# Altium PCB PCB1.PcbDoc (continued)
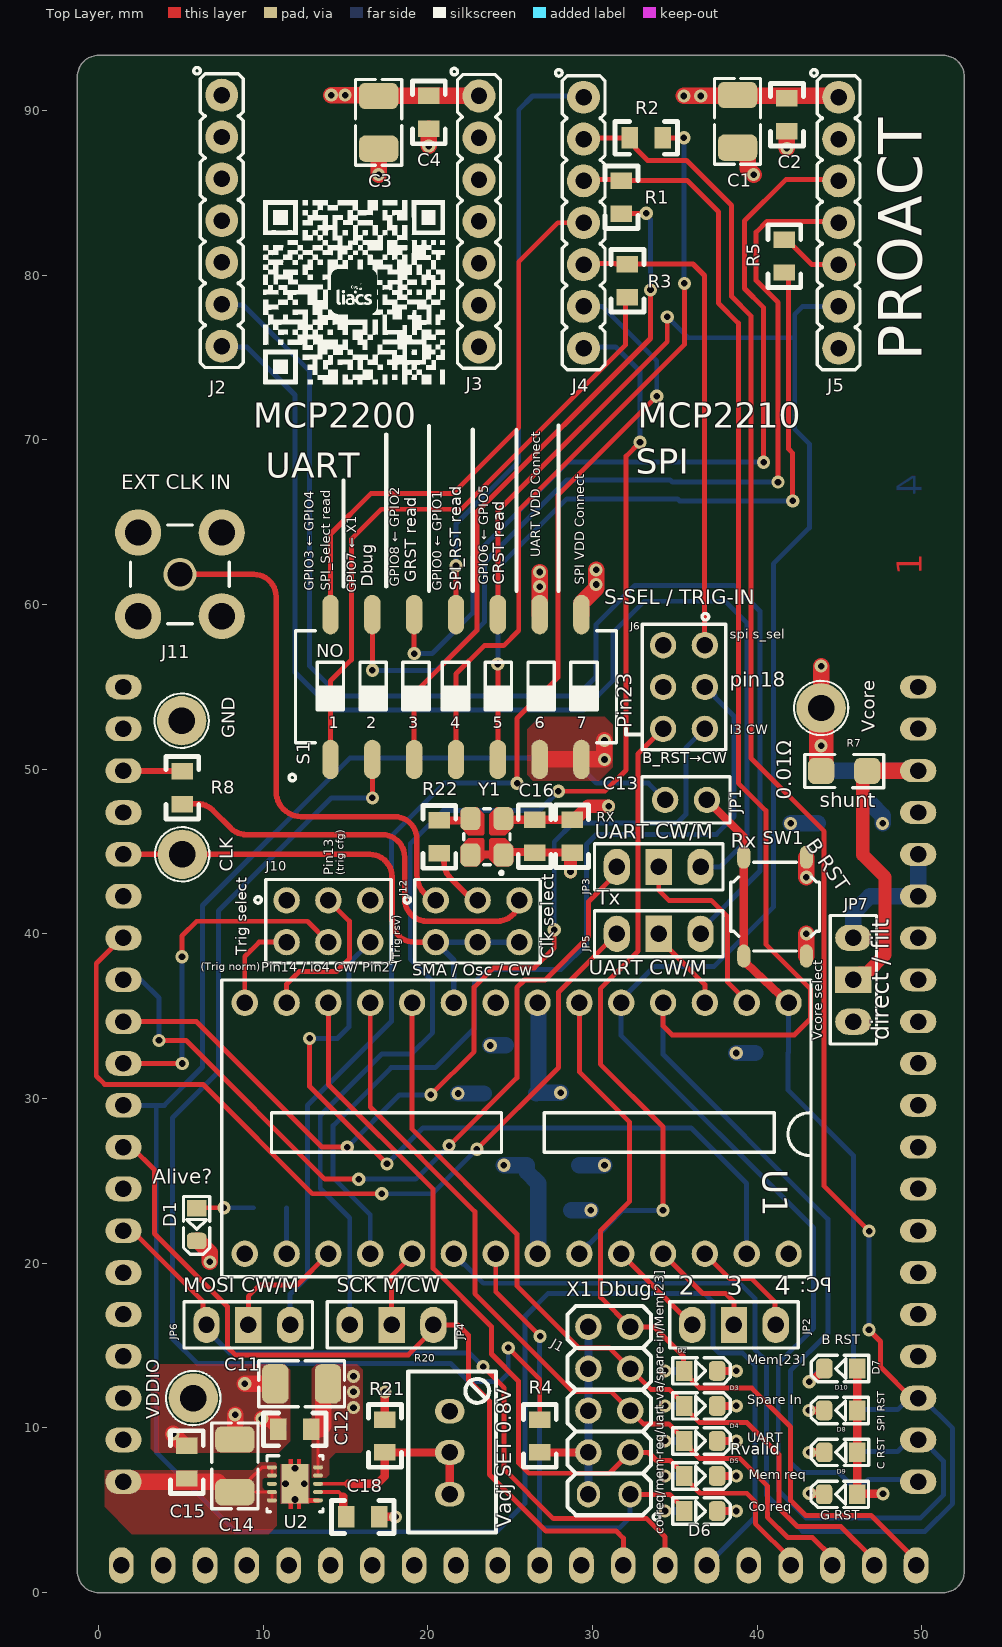
[diagram p0: Top Layer view]
## Part data (continued)
CLK GND Vcore VDDIO: "TEST POINT", MANF=MANF, MANF_P#=MANF_P#
D1 D2 D3 D4 D5 D6 D7 D8 D9 D10: library part LED_SMD_0805_RED, "LED, SMD, 0805, RED", ASSEMBLY=ASSEMBLY, DESC=DESCRIPTION, MANF=MANF, MANF_P#=MANF_PART#, PARAM2=2.2V, PRICE=36t@Javan
J1: library part HDR_M_2X5, "CONN, HEADER, Male, pitch: 2.54mm, 10POS"
J2 J3 J4 J5: library part HDR_M_1X7, "CONN, HEADER, Male, pitch: 2.54mm, 7POS"
J6 J10 J12: library part HDR_F_2X3, "CONN, HEADER, Female, pitch: 2.54mm, 6POS", MANF=MANF, MANF_P#=MANF_PART#
J7 J8 J9: library part HDR_F_1X20, "CONN, HEADER, Female, pitch: 2.54mm, 20POS"
J11: library part CONN_RF_BNC_RA, "CONN, RF, BNC, STRAIGHT", ASSEMBLY=ASSEMBLY, DESC=DESCRIPTION, DIST#=MOUSER, MANF=TE, MANF_P#=5413515-9, PARAM="50Ohm, -GHz", PARAM2=GOLD, PRICE=5$
JP1: library part JUMPER_HDR_2P, "JUMPER, HEADER 2PIN", MANF=MANF, MANF_P#=MANF_P#
JP2 JP3 JP4 JP5 JP6 JP7: library part JUMPER_HDR_3P, "JUMPER, HEADER 3PIN", MANF=MANF, MANF_P#=MANF_P#
R1 R2 R3 R4 R5 R6 R7 R8 R9 R10 R11 R12 R13 R14 R15 R16 R17 R18 R21 R22: library part Res_SMD, "resistors_axial_smd"
R20: library part ResPot, "potansiometer"
S1: library part DIPSW254S_7P, "SWITCH, DIP, 7P, THD", MANF=MANF, MANF_P#=MANF_P#
SW1: library part SWPBS_SPDT_5X5X1_SKQGAFE010, "SWITCH, PUSH BUTTON, TACTILE, SMD, SPDT, 5.0X5.0X1.5MM", ASSEMBLY=ASSEMBLY, DESC=DESCRIPTION, MANF=ALPS, MANF_P#=SKQGAFE010, PARAM=PARAM, PRICE=PRICE
U1: library part SOCKET_IC_DIP_28, "SOCKET, IC DIP,", MANF=-, MANF_P#=-, PARAM=-, PARAM2=-, PRICE=-
U2: "1.5-A low-VIN (0.8 V) adjustable low-dropout (LDO) voltage regulator with power good and enable 10-VSON -40 to 125", Alternate_PartNumber=TPS74801DRCT, Manufacturer="Texas Instruments", CompType=IC, Copyright="Copyright (C) 2026 Ultra Librarian. All rights reserved.", Manufacturer_Name="Texas Instruments", Manufacturer_Part_Number=TPS74801DRCR, MountType=SMT, PackageReference=DRC0010A, PartNumber=TPS74801DRCR, RefDes=RefDes, RoHS=Y, TYPE=TYPE
Y1: library part OSC_4_50MHz_3225E, "CLOCK OSCILLATOR, 50MHz, 10PPM, 3225", ASSEMBLY=ASSEMBLY, DESC=DESCRIPTION, DIST#=MOUSER, MANF=ECS, MANF_P#=ECS-3225S33-500-FN-TR, PARAM=10PPM, PARAM2="1.8~3.3V, -40~85oC", PRICE=1.2$

## Via types
v1: diameter 0.8, hole 0.4, Top Layer to Bottom Layer, tented both sides, 90 vias
v2: diameter 0.5, hole 0.4, Top Layer to Bottom Layer, tented both sides, 4 vias

## Nets (pads, with @x,y where several pads share a name; then routed paths per layer and width w, separated by ;. In a path a pad name is that pad's centre, name@x,y a point inside that pad or via, vN(x,y) a via of type N, cw(c..) or ccw(c..) an arc to the next point about the centre after c; other vN are vias at no path point)
0.8V: C11.2 C12.1 J8.8 JP7.3 R20.1 U2.9 U2.10 | length 63.2
  Top Layer w0.2: C12.1 13.334,9.515 13.334,9.254 13.34,9.248 U2.10 U2.9
  Top Layer w1: C12.1 C12.1@12.934,10.065 ; 13.434,9.915 13.647,10.128 C11.2@13.647,12.678
  Int2 (PWR) w0.5: v1(15.496,11.23) 15.577,11.23 15.795,11.012 R20.1 25.651,11.012 28.212,13.573 28.212,17.53 28.827,18.146 42.506,18.146 45.72,21.36 45.72,30.202 47.742,32.224 47.742,36.693 48.26,37.211 J8.8 ; v1@15.496,11.43 v1(15.496,12.183) v1(15.496,13.135) v1@15.496,13.335
1.2V: J8.11
1.8V: J8.12
2.5V: J8.13
5V: J8.15
A1: J6.6 U1.23 | length 38.6
  Top Layer w0.3: v1(34.292,23.214) 34.292,28.279 30.483,32.089 30.483,36.665 32.771,38.953 32.771,50.93 J6.6
  Bottom Layer w0.3: U1.23 29.212,20.676 29.72,21.184 29.822,21.184 31.852,23.214 v1(34.292,23.214)
B_RST_N: JP1.1 R6.1 R9.1 SW1.2 SW1.3 U1.1 | length 38.3
  Top Layer w0.5: JP1.1 39.196,45.896 SW1.3@39.196,38.643 ; SW1.3 39.206,38.345 39.352,38.199 U1.1@41.901,35.814
  Bottom Layer w0.3: U1.1 41.912,32.792 R9.1 41.886,30.504 45.847,26.543 45.847,13.881 R6.1
CLK: J12.5 R8.2 | length 25.9
  Top Layer w0.34: R8.2 5.577,47.901 5.998,47.901 cw(c5.998,46.541) 6.959,47.504 8.041,46.422 8.043,46.42 ccw(c9.002,47.384) 9,46.024 17.243,46.024 cw(c17.24,44.664) 18.6,44.665 18.603,42.123 ccw(c19.963,42.127) 19.958,40.767 24.212,40.767 ccw(c24.215,42.127) J12.5
CLK_pin: CLK.1 J7.5 J12.2 J12.4 J12.6 U1.9 | length 32.4
  Top Layer w0.34: J7.5 16.472,44.831 cw(c16.472,43.471) 17.832,43.471 17.832,40.857 ccw(c19.192,40.857) 19.192,39.497 J12.2
  Bottom Layer w0.34: U1.9 21.592,38.397 J12.2 J12.4 J12.6
CRST: J5.6 J8.19 R16.1 S1.10 U1.5 | length 137.7
  Top Layer w0.3: S1.10 24.259,65.68 34.546,75.967 v1(34.546,77.47)
  Bottom Layer w0.3: v1(34.546,77.47) 35.816,76.2 42.291,76.2 ; J5.6@45.339,78.105 42.773,78.105 42.291,77.623 42.291,76.2 ; R16.1 48.539,8.571 49.239,9.271 J8.19 50.036,9.271 51.317,7.99 51.317,5.912 49.939,4.534 42.964,4.534 41.289,6.209 41.289,13.916 43.434,16.061 43.434,22.138 31.752,33.82 31.752,36.011 33.772,38.031 37.398,38.031 40.993,41.626 40.993,62.47 43.18,64.658 43.18,69.765 42.291,70.654 42.291,76.2
D1: D2.1 J1.9 J9.20 U1.6 | length 49.1
  Top Layer w0.3: U1.6 29.212,31.623 32.247,28.588 32.247,23.736 30.501,21.99 30.501,17.927 J1.9 33.751,16.129 35.544,14.336 35.544,13.494 35.926,13.112 35.926,13.009 36.519,12.416 39.681,12.416 42.039,10.058 42.039,5.593 42.955,4.677 46.93,4.677 49.659,1.948 J9.20
D2: D3.1 J1.7 J9.19 U1.10 | length 50.7
  Top Layer w0.3: U1.10 19.052,28.143 25.417,21.779 25.417,18.626 29.184,14.859 31.029,14.859 J1.7 33.569,12.319 34.692,12.319 35.226,11.785 35.576,11.435 D3.1 ; D3.1@35.576,11.235 35.926,10.885 35.946,10.885 36.513,10.317 39.391,10.317 41.336,8.372 41.336,5.12 42.443,4.014 45.094,4.014 47.119,1.989 J9.19
D3: D4.1 J1.5 J9.18 U1.11 | length 50.4
  Top Layer w0.3: U1.11 16.512,29.486 22.861,23.137 22.861,18.154 28.817,12.199 31.149,12.199 J1.5 33.099,10.249 34.634,10.249 35.226,9.658 35.576,9.307 D4.1 35.926,8.857 35.926,8.744 36.534,8.136 38.974,8.136 40.627,6.483 40.627,4.581 41.865,3.343 43.363,3.343 44.579,2.127 J9.18
D4: D5.1 J1.3 J9.17 U1.12 | length 53.9
  Top Layer w0.3: U1.12 13.972,30.855 20.331,24.496 20.331,19.693 23.874,16.15 23.874,14.484 25.519,12.838 25.519,7.875 26.147,7.247 31.037,7.247 J1.3 33.406,8.509 33.895,8.02 34.737,8.02 35.576,7.18 D5.1 ; D5.1@35.576,6.98 35.926,6.63 35.936,6.63 36.536,6.031 39.382,6.031 39.902,5.511 39.902,4.188 42.039,2.052 J9.17
D5: D6.1 J1.1 J9.11 U1.21 | length 31
  Top Layer w0.3: U1.21 24.132,18.26 v1(26.828,15.563) ; J1.1 34.698,5.969 35.226,5.441 35.226,5.303 D6.1
  Bottom Layer w0.3: J9.11 26.799,3.937 ; v1(26.828,15.563) 26.799,15.534 26.799,3.937 ; J1.1 32.299,4.572 31.664,3.937 26.799,3.937
GND: C1.1 C2.2 C3.1 C4.2 C5.1 C6.1 C7.2 C8.1 C9.2 C10.1 C11.1 C12.2 C13.2 C14.1 C15.2 C16.2 C18.2 D1.2 GND.1 J3.2 J5.2 J7.2 J7.4 J7.6 J7.15 J7.16 J8.1 J8.4 J8.7 J8.9 J8.10 J8.16 J8.17 J9.1 J9.9 J9.10 J9.16 J11.2 J11.MH1 J11.MH2 R11.1 R12.1 R13.1 R14.1 R15.1 R21.1 SW1.1 SW1.4 U1.8 U2.6 U2.11 Y1.2 | length 41.3
  Top Layer w0.3: v2(11.94,5.654) 11.99,5.604 U2.6
  Top Layer w0.5: C18.2 v1(18.049,4.599) ; R21.1 v1(17.399,12.183) ; Y1.2 24.658,46.936 C16.2 C13.2 C13.2@28.925,46.936
  Top Layer w0.8: C13.2@28.925,46.936 29.741,47.752 v1(30.988,47.752)
  Top Layer w1: v1(4.533,9.638) 4.533,9.617 C15.2@5.222,8.928 ; D1.2 6.071,21.352 6.771,20.652 v1(6.771,20.079) ; C14.1 8.308,9.315 v1(8.308,10.795) ; v1(8.892,12.678) C11.1@10.447,12.678 ; v1(9.94,10.565) 10.434,10.565 10.934,10.065 C12.2 ; v1(17.02,86.106) C3.1 ; v1(20.068,87.847) C4.2 ; C1.1 39.129,87.742 39.429,87.442 39.429,86.468 v1(39.791,86.106) ; v1(41.81,87.7) C2.2 ; SW1.4 v1(42.996,40.005) ; v1(42.996,43.434) SW1.1
  Bottom Layer w0.5: v1(34.417,4.953) R15.1 ; v1(34.417,7.08) R14.1 ; v1(34.417,9.207) R13.1 ; v1(34.417,11.335) R12.1 ; v1(34.417,13.462) R11.1
  Bottom Layer w1: v1(21.846,30.307) C8.1 ; v1(23.801,33.224) C9.2 ; C7.2 v1(29.912,23.214) ; C6.1 v1(30.736,25.954) ; v1(42.039,46.711) C10.1 ; C5.1 46.888,47.911 47.627,47.172 v1(47.627,46.711)
  other v2: 11.365,6.604 12.515,6.604 11.94,7.554
GRST: J4.3 J8.20 R1.2 R17.1 U1.4 | length 113.3
  Top Layer w0.3: J4.3@29.464,85.802 31.356,85.802 31.409,85.749 35.758,85.749 37.656,83.851 37.656,78.295 38.864,77.087 38.864,49.149 40.531,47.482 40.531,39.368 43.24,36.659 43.24,34.832 42.279,33.871 34.838,33.871 34.292,34.417 U1.4
  Bottom Layer w0.3: U1.4 34.292,32.686 44.297,22.681 44.297,15.733 42.025,13.462 42.025,7.924 42.651,7.298 44.947,7.298 R17.1@46.064,6.181 ; R17.1 R17.1@46.064,6.181 ; J8.20 49.641,6.876 46.759,6.876 R17.1@46.064,6.181
NetC1_2: C1.2 C2.1 J5.1 S1.8 | length 21.5
  Top Layer w1: S1.8 29.339,60.091 30.226,60.978 v1(30.226,61.214) v1(30.226,62.103) ; v1(35.562,90.882) v1(36.587,90.882) ; J5.1@45.339,90.882 42.966,90.882 42.472,90.882 39.791,90.882 38.816,90.882 C1.2@37.632,90.882 ; v1(36.587,90.882) v1@36.832,90.882 ; v1(36.587,90.882) v1@36.832,90.882 ; v1(36.587,90.882) C1.2@37.632,90.882 ; v1@36.832,90.882 C1.2@37.632,90.882
  Int2 (PWR) w1: v1(30.226,61.214) v1(30.226,62.103) ; 33.48,90.882 v1@36.832,90.882 ; v1(35.562,90.882) v1@36.832,90.882 ; v1(36.587,90.882) 37.632,90.882 v1@36.832,90.882
NetC3_2: C3.2 C4.1 J3.1 S1.9 | length 51.4
  Top Layer w1: v1(14.142,90.932) v1(14.988,90.932) 16.97,90.932 C3.2 C4.1 J3.1 ; S1.9 v1(26.799,61.087) v1(26.799,61.976)
  Int2 (PWR) w1: v1(14.988,90.932) v1(14.142,90.932) 13.669,90.932 13.083,90.346 13.083,73.404 20.32,66.167 25.021,66.167 26.799,64.389 v1(26.799,61.976) v1(26.799,61.087)
NetC18_1: C18.1 U2.7 | length 3
  Top Layer w0.22: U2.7 14.599,6.104 14.871,5.832
  Top Layer w0.5: 14.871,5.832 14.871,4.784 C18.1
NetD1_1: D1.1 R10.1 | length 3.5
  Top Layer w0.3: D1.1 5.987,23.368 v1(7.622,23.368)
  Bottom Layer w0.3: v1(7.622,23.368) R10.1
NetD2_2: D2.2 R11.2 | length 2.2
  Top Layer w0.5: D2.2 v1(38.749,13.462)
  Bottom Layer w0.5: R11.2 v1(38.749,13.462)
NetD3_2: D3.2 R12.2 | length 2.2
  Top Layer w0.5: D3.2 v1(38.749,11.335)
  Bottom Layer w0.5: R12.2 v1(38.749,11.335)
NetD4_2: D4.2 R13.2 | length 2.2
  Top Layer w0.5: D4.2 v1(38.749,9.207)
  Bottom Layer w0.5: R13.2 v1(38.749,9.207)
NetD5_2: D5.2 R14.2 | length 2.2
  Top Layer w0.5: D5.2 v1(38.749,7.08)
  Bottom Layer w0.5: R14.2 v1(38.749,7.08)
NetD6_2: D6.2 R15.2 | length 2.2
  Top Layer w0.5: D6.2 v1(38.749,4.953)
  Bottom Layer w0.5: R15.2 v1(38.749,4.953)
NetD7_2: D7.2 R6.2 | length 2.7
  Top Layer w0.5: v1(43.17,12.806) 43.227,12.864 43.344,12.864 43.737,13.256 43.837,13.256 44.087,13.506 D7.2
  Bottom Layer w0.5: v1(43.17,12.806) 43.17,12.808 43.613,13.251 43.827,13.251 44.077,13.501 R6.2
NetD8_2: D8.2 R16.2 | length 1.8
  Top Layer w0.5: v1(43.17,8.515) D8.2
  Bottom Layer w0.5: v1(43.17,8.515) 43.198,8.543 44.049,8.543 R16.2
NetD9_2: D9.2 R17.2 | length 1.8
  Top Layer w0.5: v1(43.17,6.031) 43.201,6 44.043,6 D9.2
  Bottom Layer w0.5: v1(43.17,6.031) R17.2
NetD10_2: D10.2 R18.2 | length 1.9
  Top Layer w0.5: v1(43.157,11.061) D10.2
  Bottom Layer w0.5: v1(43.157,11.061) 43.182,11.086 44.052,11.086 R18.2
NetJ2_6: J2.6 JP5.3 | length 79.5
  Bottom Layer w0.3: J2.6@7.493,78.182 8.815,78.182 12.829,74.168 12.829,56.261 14.639,54.451 29.053,54.451 30.228,55.626 30.228,58.801 32.593,61.166 38.611,61.166 40.182,59.595 40.182,43.817 JP5.3@36.37,40.005
NetJ2_7: J2.7 JP3.3 | length 72.8
  Bottom Layer w0.3: J2.7@7.493,75.642 9.019,75.642 11.94,72.721 11.94,55.88 14.226,53.594 29.466,53.594 31.244,55.372 31.244,58.293 33.149,60.198 38.08,60.198 39.383,58.895 39.383,45.682 37.771,44.069 JP3.3 JP3.3@36.37,44.069
NetJ4_1: J4.1 S1.11 | length 36.5
  Top Layer w0.3: S1.11 v1(21.719,62.357)
  Bottom Layer w0.3: v1(21.719,62.357) 21.719,64.897 25.529,68.707 25.529,90.043 26.368,90.882 J4.1@29.464,90.882
NetJ4_4: J4.4 S1.14 | length 34
  Top Layer w0.3: S1.14 14.099,64.285 16.548,66.734 21.522,66.734 25.529,70.741 25.529,80.811 27.903,83.185 J4.4
NetJ4_5: J4.5 J6.1 R3.2 | length 30.5
  Top Layer w0.3: J4.5@29.083,80.722 31.364,80.722 31.409,80.677 36.113,80.677 36.81,79.98 36.81,57.553 J6.1
NetJ4_6: J4.6 JP6.3 | length 76.2
  Top Layer w0.3: v1(25.427,49.149) 25.427,53.084 27.924,55.581 27.924,66.657 v1(33.911,72.644)
  Bottom Layer w0.3: JP6.3 11.648,18.135 12.702,19.189 12.702,29.591 17.794,34.683 17.794,45.928 21.016,49.149 v1(25.427,49.149) ; J4.6 30.609,78.105 33.911,74.803 v1(33.911,72.644)
NetJ4_7: J4.7 JP4.3 | length 78
  Top Layer w0.3: v1(27.94,48.66) 30.758,48.66 32.053,49.955 32.053,69.008 v1(32.895,69.85)
  Bottom Layer w0.3: JP4.3 15.268,22.746 13.477,24.537 13.477,28.969 17.21,32.703 18.994,32.703 20.298,34.006 20.298,37.108 18.94,38.466 18.94,45.483 20.937,47.48 26.76,47.48 v1(27.94,48.66) ; J4.7@29.464,75.642 31.421,75.642 32.895,74.168 v1(32.895,69.85)
NetJ5_3: J5.3 S1.12 | length 52
  Top Layer w0.3: v1(19.179,57.023) S1.12 ; v1(40.398,68.645) 40.386,68.657 40.386,78.046 39.237,79.195 39.237,83.297 41.742,85.802 J5.3@44.704,85.802
  Bottom Layer w0.3: v1(19.179,57.023) 20.273,57.023 22.744,59.494 22.744,62.874 28.515,68.645 v1(40.398,68.645)
NetJ5_4: J5.4 S1.13 | length 55.7
  Top Layer w0.3: v1(16.639,56.007) S1.13 ; v1(41.275,67.437) 41.275,78.346 39.945,79.676 39.945,82.617 40.59,83.262 J5.4@44.704,83.262
  Bottom Layer w0.3: v1(16.639,56.007) 20.513,56.007 23.44,58.933 23.44,62.554 28.45,67.564 34.731,67.564 34.858,67.437 v1(41.275,67.437)
NetJ5_5: J5.5 R5.2 | length 4.6
  Top Layer w0.3: R5.2 41.806,82.163 43.324,80.645 J5.5@45.339,80.645 ; J5.5@45.673,80.819 J5.5@45.847,80.645
NetJ6_3: J6.3 U1.18 | length 54.7
  Bottom Layer w0.3: U1.18 16.512,22.946 14.259,25.199 14.259,28.354 17.782,31.877 20.449,31.877 22.446,33.874 22.449,33.874 22.838,34.263 22.838,37.06 23.624,37.846 28.105,37.846 29.646,39.387 29.646,45.442 30.249,46.045 37.527,46.045 38.599,47.116 38.599,53.224 37.442,54.381 37.442,54.483 36.934,54.991 J6.3
NetJ6_5: J6.5 J7.9 | length 57.4
  Top Layer w0.3: J7.9 5.964,34.671 13.584,27.051 v1(15.115,27.051) ; v1(20.195,30.226) 22.82,32.851 22.82,36.764 23.994,37.938 26.478,37.938 27.686,39.145 v1(27.686,40.246)
  Bottom Layer w0.3: v1(15.115,27.051) 18.29,30.226 v1(20.195,30.226) ; v1(27.686,40.246) 27.686,45.595 28.822,46.731 35.155,46.731 35.676,47.251 35.676,51.295 J6.5
NetJ7_3: J7.3 R8.1 | length 3.6
  Top Layer w0.34: J7.3@1.549,49.888 R8.1@5.074,49.888
  Top Layer w0.5: J7.3 J7.3@1.549,49.888 ; R8.1@5.074,49.888 R8.1
NetJ7_10: J7.10 J10.4 | length 21.1
  Top Layer w0.3: J7.10 v1(5.097,32.131) ; v1(5.082,38.608) 5.082,39.88 5.969,40.767 12.702,40.767 J10.4
  Bottom Layer w0.3: v1@5.082,32.146 v1(5.082,38.608)
NetJ7_11: J7.11 J9.15 JP1.2 | length 137.3
  Bottom Layer w0.3: J7.11 3.516,29.591 ; JP1.2 33.403,49.149 30.249,49.149 28.725,50.673 15.276,50.673 6.329,41.726 6.329,31.915 4.005,29.591 3.516,29.591 ; J9.15 36.959,1.676 37.657,2.375 37.683,2.375 39.864,4.556 39.864,13.804 39.13,14.538 37.707,14.538 37.318,14.927 37.318,17.671 36.838,18.152 27.296,18.152 25.908,16.764 25.908,5.416 24.184,3.693 8.343,3.693 3.516,8.519 3.516,29.591
NetJ7_12: J7.12 J9.13 JP4.1 | length 51.5
  Top Layer w0.3: J7.12 2.034,27.051 3.411,25.674 3.411,21.794 7.84,17.365 7.84,14.916 8.325,14.432 18.824,14.432 20.348,15.956 JP4.1 21.858,16.256 22.479,15.635 22.479,12.904 23.742,11.641 23.742,7.171 27.169,3.743 31.44,3.743 31.879,3.304 J9.13
NetJ7_14: J7.14 J9.14 JP6.1 | length 46.1
  Top Layer w0.3: J7.14 2.056,21.971 6.361,17.666 6.361,16.463 JP6.1 ; v1(23.368,13.716) 24.644,12.44 24.644,7.479 27.632,4.49 33.301,4.49 34.419,3.373 J9.14
  Bottom Layer w0.3: JP6.1 6.568,15.956 7.968,14.556 22.528,14.556 v1(23.368,13.716)
NetJ10_2: J10.2 U1.14 | length 5.7
  Top Layer w0.3: U1.14 8.892,38.623 9.766,39.497 J10.2
NetJ10_3: J10.3 U1.13 | length 9.7
  Top Layer w0.3: U1.13 11.432,36.959 12.192,37.719 14.467,37.719 15.24,38.492 15.24,40.769 J10.3
NetJ10_6: J10.6 U1.27 | length 46.3
  Top Layer w0.3: v1(12.829,33.655) 12.829,30.734 v1(17.528,26.035)
  Bottom Layer w0.3: v1(12.829,33.655) 14.523,33.655 15.213,34.345 15.213,38.198 J10.6 ; v1(17.528,26.035) 19.702,28.209 36.001,28.209 39.372,24.838 U1.27
NetJ11_1: J11.1 J12.1 | length 32.9
  Top Layer w0.34: J11.1 9.435,61.833 cw(c9.435,60.473) 10.795,60.473 10.795,48.652 ccw(c12.334,48.656) 12.32,47.117 ccw(c12.333,48.477) 12.333,47.117 17.982,47.117 cw(c17.982,45.757) 19.342,45.757 19.342,43.579 ccw(c20.702,43.581) 19.342,43.574 ccw(c20.94,43.582) 20.46,42.058 cw(c20.332,41.653) 20.494,42.045 J12.1@20.495,42.047
NetJ12_3: J12.3 R22.2 | length 3.9
  Top Layer w0.34: R22.2 20.994,44.556 20.994,44.34 ccw(c22.354,44.34) 21.391,43.379 22.37,42.4 ccw(c23.329,43.364) J12.3
NetJP2_1: JP2.1 U1.26 | length 6.9
  Top Layer w0.3: U1.26 38.347,19.059 39.674,19.059 41.102,17.63 41.102,16.291 JP2.1
NetJP2_2: JP2.2 U1.25 | length 6.9
  Top Layer w0.3: U1.25 36.705,18.161 38.102,18.161 38.597,17.666 JP2.2
NetJP2_3: JP2.3 U1.24 | length 6.1
  Top Layer w0.3: U1.24@31.752,20.561 JP2.3@36.051,16.262
NetJP3_2: JP3.2 U1.2 | length 12
  Top Layer w0.3: JP3.2 34.03,42.648 34.641,42.037 37.213,42.037 38.214,41.036 38.214,37.072 39.372,35.914 U1.2
NetJP4_2: JP4.2 U1.19 | length 4.8
  Top Layer w0.3: JP4.2 17.808,19.23 19.052,20.474 U1.19
NetJP5_2: JP5.2 U1.3 | length 5.4
  Top Layer w0.3: JP5.2@33.83,39.919 33.83,39.905 34.68,39.055 34.694,39.055 36.832,36.917 U1.3
NetJP6_2: JP6.2 U1.17 | length 7.7
  Top Layer w0.3: JP6.2 9.108,17.996 9.781,18.669 12.067,18.669 U1.17
NetR1_1: R1.1 S1.3 | length 41.1
  Top Layer w0.3: S1.3 19.179,54.61 22.989,58.42 22.989,65.62 33.528,76.159 v1(33.528,79.105) ; R1.1@31.409,83.749 31.417,83.757 v1(33.276,83.757)
  Bottom Layer w0.3: v1(33.276,83.757) 33.276,83.622 33.528,83.37 v1(33.528,79.105)
NetR2_1: R2.1 S1.4 | length 45.5
  Top Layer w0.3: S1.4 21.719,55.787 23.436,57.504 24.613,57.504 25.529,58.42 25.529,65.717 35.587,75.776 v1(35.587,79.502) ; R2.1@34.29,88.342 v1(35.562,88.342)
  Bottom Layer w0.3: v1(35.562,88.342) 35.575,88.329 35.575,79.515 v1(35.587,79.502)
NetR3_1: R3.1 S1.1 | length 38.4
  Top Layer w0.3: S1.1 14.099,55.372 15.367,56.64 15.367,63.968 17.185,65.786 22.037,65.786 32.004,75.753 R3.1@32.004,78.707
NetR4_2: R4.2 S1.2 | length 70
  Top Layer w0.3: v1(16.639,48.26) S1.2 ; v1(24.892,14.859) 26.807,12.944 R4.2
  Bottom Layer w0.3: v1(16.639,48.26) 14.156,48.26 7.285,41.389 7.285,31.615 4.502,28.831 4.502,15.433 6.014,13.92 21.386,13.92 22.479,12.827 24.402,12.827 24.892,13.317 v1(24.892,14.859)
NetR5_1: R5.1 S1.5 | length 44.9
  Top Layer w0.3: S1.5 v1(24.259,56.388) ; R5.1@41.91,79.782 41.91,69.451 42.164,69.197 v1(42.164,66.294)
  Bottom Layer w0.3: v1(24.259,56.388) 24.259,62.23 28.45,66.421 35.176,66.421 35.303,66.294 v1(42.164,66.294)
NetR10_2: R10.2 U1.16 | length 2.8
  Bottom Layer w0.3: R10.2 11.432,23.362 U1.16
NetR20_2: R20.2 R20.3 R21.2 U2.8 | length 12.2
  Top Layer w0.22: U2.8 15.167,6.604
  Top Layer w0.5: 15.167,6.604 16.935,6.604 17.399,7.068 R21.2 R20.2 R20.3
NetR22_1: R22.1 Y1.3 | length 1.9
  Top Layer w0.5: R22.1 22.488,46.886 Y1.3
RX: J7.8 JP3.1 | length 49
  Top Layer w0.3: v1(3.685,33.528) 5.331,33.528 13.754,25.105 v1(15.812,25.105) ; v1(21.3,27.14) 25.414,31.254 25.414,36.742 25.876,37.203 27.131,37.203 29.778,39.85 29.778,41.97 31.49,43.682 JP3.1
  Bottom Layer w0.3: J7.8 2.585,37.211 3.685,36.111 v1(3.685,33.528) ; v1(15.812,25.105) 19.265,25.105 v1(21.3,27.14)
SPI_RST: J4.2 J8.18 R2.2 R18.1 U1.20 | length 143.7
  Top Layer w0.3: J4.2@30.099,88.342 32.116,88.342 32.616,87.842 32.616,87.708 33.357,86.967 35.731,86.967 38.45,84.248 38.45,78.71 39.626,77.534 39.626,50.679 44.071,46.234 44.071,24.685 v1(46.806,21.951) ; v1(46.799,15.965) 46.799,15.949 47.498,15.25 47.498,13.716 49.403,11.811 J8.18
  Bottom Layer w0.3: U1.20 21.592,20.472 22.1,19.964 22.202,19.964 23.382,18.784 38.947,18.784 39.864,17.867 39.864,14.748 40.571,14.041 40.571,5.911 42.767,3.715 50.199,3.715 51.877,5.393 51.877,9.97 50.036,11.811 J8.18 49.239,11.811 48.539,11.111 R18.1 R18.1@46.077,11.261 ; v1(46.799,15.965) 46.799,21.945 v1(46.806,21.951)
TX: J7.7 JP5.1 | length 52.9
  Top Layer w0.3: J7.7 1.424,39.751 -0.127,38.2 -0.127,31.371 0.383,30.861 6.352,30.861 12.993,24.22 v1(17.212,24.22) ; v1(22.989,26.924) 27.945,31.88 27.945,36.46 JP5.1
  Bottom Layer w0.3: v1(17.212,24.22) 20.285,24.22 v1(22.989,26.924)
Vcore: J8.2 R7.1 U1.15 U1.28 Vcore.1 | length 81.2
  Top Layer w1: Vcore.1 v1(43.891,56.261)
  Top Layer w1.5: R7.1 v1(43.891,51.429) Vcore.1
  Int2 (PWR) w0.5: U1.15 8.892,21.98 9.185,22.273 41.88,22.273 41.912,22.241 ; U1.28 41.912,22.241 ; Vcore.1 v1@43.891,51.435 ; J8.2 47.613,52.451 46.597,51.435 v1@43.891,51.435 ; 41.912,22.241 41.912,32.454 43.219,33.761 43.219,38.647 43.891,39.319 v1(43.891,51.429) v1@43.891,51.435
Vcore_back: J8.5 J8.6 JP7.1 | length 8.4
  Bottom Layer w1: JP7.1@45.855,39.757 45.855,41.297 46.849,42.291 J8.6 J8.5
Vcore_shunt_1: C5.2 C10.2 J8.3 JP7.2 R7.2 | length 23.6
  Top Layer w0.8: JP7.2 46.249,37.611 46.649,37.611 47.763,38.725 47.763,43.459 46.423,44.799 46.423,49.627 R7.2
  Top Layer w1: R7.2@46.699,49.903 49.778,49.903 J8.3
  Bottom Layer w1: C10.2 C5.2 J8.3
VDDIO: C6.2 C7.1 C8.2 C9.1 C13.1 C14.2 C15.1 C16.1 D7.1 D8.1 D9.1 D10.1 J7.20 J8.14 J9.12 R9.2 S1.6 S1.7 U1.7 U1.22 U2.1 U2.2 U2.4 U2.5 VDDIO.1 Y1.1 Y1.4 | length 229.3
  Top Layer w0.2: U2.5 U2.4 8.535,6.104 9.205,6.774 9.205,6.869 9.94,7.604 U2.1 U2.2
  Top Layer w0.3: D9.1 D9.1@46.087,5.982
  Top Layer w0.5: Y1.4@22.626,44.825 Y1.1@24.569,44.825 ; Y1.1 24.766,44.965 C16.1@26.472,44.965 ; C16.1 C13.1 C13.1@28.677,44.838 ; v1(28.675,43.769) v1@28.677,43.771 ; D7.1 46.087,11.061 D8.1 46.087,5.982 46.105,6 v1(47.649,6)
  Top Layer w0.8: v1@28.677,43.771 C13.1@28.677,44.838
  Top Layer w1: J7.20 7.256,6.731 C14.2@7.89,6.097 ; S1.6 S1.7 v1(30.736,50.591) v1(30.736,51.751)
  Int2 (PWR) w0.5: VDDIO.1 3.558,11.811 ; J9.12 29.339,3.429 ; v1(30.736,50.591) v1(30.736,51.751) 29.655,52.832 14.734,52.832 12.829,50.927 12.829,47.117 7.012,41.3 7.012,28.575 ; v1(38.743,32.766) 30.482,32.766 v1(28.069,30.353) 28.069,27.432 26.591,25.954 v1(24.627,25.954) 24.627,27.432 23.484,28.575 7.012,28.575 ; J8.14 49.436,21.971 47.907,20.442 47.907,6.338 47.649,6.081 47.649,5.104 45.974,3.429 29.339,3.429 ; 3.558,11.811 3.558,25.121 7.012,28.575 ; 3.558,11.811 3.558,7.239 3.05,6.731 J7.20 1.526,4.826 2.923,3.429 29.339,3.429
  Bottom Layer w1: v1(24.627,25.954) C6.2 26.018,25.554 26.705,24.867 C7.1 26.705,20.607 U1.22 ; C8.2 C8.2@26.647,30.353 ; U1.7@26.729,35.757 C9.1 26.729,30.435 C8.2@26.647,30.353 ; v1(28.069,30.353) C8.2@26.647,30.353 ; J9.12@29.208,2.182 29.208,1.782 J9.12 ; v1(38.743,32.766) R9.2
X1: J1.2 J1.4 J1.6 J1.8 J1.10 R4.1 | length 13.1
  Top Layer w0.5: R4.1 J1.4
  Bottom Layer w0.5: J1.2 J1.6 J1.8 J1.10
pads on no net: J2.1 J2.2 J2.3 J2.4 J2.5 J3.3 J3.4 J3.5 J3.6 J3.7 J5.7 J6.2 J6.4 J7.1 J7.13 J7.17 J7.18 J7.19 J9.2 J9.3 J9.4 J9.5 J9.6 J9.7 J9.8 J10.1 J10.5 U2.3

## Polygon pours and split planes (outlines as drawn)
0.8V on Top Layer "0.8V_L01_P000" (solid, remove dead copper, pour order 0): 15.717,13.878 16.068,13.527 16.068,8.638 15.921,8.491 14.412,8.491 14.025,8.104 14.025,7.152 13.833,6.96 12.974,6.96 12.974,13.605 13.247,13.878 13.46,13.878
VDDIO on Top Layer "VDDIO_L01_P014" (solid, remove dead copper, pour order 14): 30.751,53.196 31.242,52.705 31.242,50.132 30.424,49.314 26.378,49.314 26.035,49.657 26.035,52.422 26.809,53.196
no net on Top Layer "NONET_L01_P006" (solid, pour order 6): 11.115,7.804 12.765,7.804 12.765,5.404 11.115,5.404
GND on Top Layer "GND_L01_P004" (solid, remove dead copper, pour order 4): 11.313,13.878 11.648,13.542 11.648,9.18 10.965,8.497 3.411,8.497 3.177,8.731 3.177,13.524 3.531,13.878
VDDIO on Top Layer "VDDIO_L01_P001" (solid, remove dead copper, pour order 1): 0.381,7.431 9.367,7.431 9.84,7.904 10.747,7.904 10.84,7.811 10.84,7.054 10.77,6.984 10.07,6.984 9.94,6.854 9.94,6.384 10.099,6.224 10.77,6.224 10.84,6.154 10.84,4.057 10.339,3.556 2.032,3.556 0.381,5.207
GND on Bottom Layer "GND_L04_P008" (solid, remove dead copper, pour order 8): 12.829,7.804 12.829,5.394 11.064,5.394 11.064,7.804
NetC1_2 on Int2 (PWR) "NETC1_2_L03_P015" (solid, remove dead copper, pour order 15): 37.973,91.821 38.481,91.313 38.481,60.452 37.211,59.182 30.861,59.182 30.861,91.821
Vcore on Int2 (PWR) "VCORE_L03_P012" (solid, remove dead copper, pour order 12): 52.582,59.309 52.582,38.735 44.323,38.735 43.54,37.952 43.54,21.055 41.789,19.304 6.604,19.304 6.003,19.905 6.003,24.672 6.35,25.019 38.103,25.019 39.878,26.794 39.878,58.293 40.894,59.309
VDDIO on Int2 (PWR) "VDDIO_L03_P013" (solid, remove dead copper, pour order 13): 38.932,55.741 39.37,55.303 39.37,27.061 37.709,25.4 6.143,25.4 5.588,24.845 5.588,19.616 6.346,18.858 12.511,18.858 13.072,18.297 13.072,6.443 13.861,5.654 35.494,5.654 44.252,5.654 46.577,7.979 46.577,22.828 46.99,23.241 52.582,23.241 52.582,1.27 cw(c51.312,1.27) 51.312,0 0,0 cw(c0,1.27) -1.27,1.27 -1.27,55.741
0.8V on Int2 (PWR) "0.8V_L03_P010" (solid, remove dead copper, pour order 10): 52.582,38.227 52.582,23.765 46.793,23.765 46.101,23.073 46.101,8.339 43.831,6.069 14.099,6.069 13.462,6.706 13.462,18.385 13.935,18.858 42.188,18.858 43.99,20.659 43.99,37.911 44.306,38.227 45.849,38.227
NetC3_2 on Int2 (PWR) "NETC3_2_L03_P016" (solid, remove dead copper, pour order 16): 20.574,91.821 21.082,91.313 21.082,73.533 21.971,72.644 27.432,72.644 27.94,72.136 27.94,59.817 27.305,59.182 14.224,59.182 12.319,61.087 12.319,91.313 12.827,91.821
GND on Int2 (PWR) "GND_L03_P009" (solid, remove dead copper, pour order 9): 12.829,7.804 12.829,5.394 11.064,5.394 11.064,7.804
GND on Int1 (GND) "GND_L02_P002" (solid, remove dead copper, pour order 2): -0.158,93.153 51.154,93.153 cw(c51.154,91.883) 52.424,91.883 52.424,1.078 cw(c51.154,1.078) 51.154,-0.192 -0.158,-0.192 cw(c-0.158,1.078) -1.428,1.078 -1.428,91.883 cw(c-0.158,91.883)

## Other copper
Top Layer:
  text "1" at 49.992,61.768 h1.5 r90
Int1 (GND):
  pour cut-out: 47.964,61.214 50.523,61.214 50.523,68.326 47.964,68.326
  text "2" at 49.992,63.038 h1.5 r90
Int2 (PWR):
  rectangle net NetC1_2: 29.464,59.182 31.623,63.119
  text "3" at 49.992,64.943 h1.5 r90
Bottom Layer:
  text "4" at 49.992,67.899 h1.5 r90

## Silkscreen, mask and mechanical layers (free items; w line width, h text height)
Top Overlay:
  drawing of 65 lines, arcs and shapes, not listed
  text "PROACT" at 50.879,74.803 h4.52 r90
  text "MCP2200" at 9.398,70.739 h1.52
  text "MCP2210" at 32.766,70.739 h1.52
  text "SPI" at 32.639,67.945 h1.52
  text "UART" at 10.16,67.691 h1.52
  text "EXT CLK IN" at 1.397,66.691 h1.52
  text "UART VDD Connect" at 27.04,62.865 h1 r90
  text "GRST read" at 19.545,61.341 h1.2 r90
  text "GPIO6 ← GPIO5" at 23.876,61.214 h1 r90
  text "CRST read" at 24.879,61.214 h1.2 r90
  text "SPI VDD Connect" at 29.707,61.214 h1 r90
  text "Dbug" at 16.919,61.087 h1.2 r90
  text "GPIO8 ← GPIO2" at 18.489,61.087 h1 r90
  text "GPIO3 ← GPIO4" at 13.28,60.833 h1 r90
  text "SPI_Select read" at 14.301,60.833 h1 r90
  text "GPIO0 ← GPIO1" at 21.08,60.833 h1 r90
  text "SPI_RST read" at 22.275,60.833 h1.2 r90
  text "GPIO7 ← X1" at 15.887,60.706 h1 r90
  text "S-SEL / TRIG-IN" at 30.734,59.706 h1.52
  text "spi s_sel" at 38.354,57.709 h1
  text "pin18" at 38.354,54.697 h1.52
  text "Pin23" at 32.684,52.481 h1.52 r90
  text "I3 CW" at 38.354,51.896 h1
  text "B_RST→CW" at 33.022,50.111 h1.12
  text "0.01Ω" at 42.38,48.133 h1.52 r90
  text "shunt" at 43.796,47.387 h1.52
  text "RX" at 30.269,46.609 h1
  text "UART CW/M" at 30.13,45.485 h1.52
  text "B RST" at 42.685,45.221 h1.52 r305
  text "Rx" at 38.396,44.935 h1.52
  text "Pin13" at 14.467,43.561 h1 r90
  text "(trig cfg)" at 15.09,43.561 h0.8 r90
  text "Tx" at 30.269,41.471 h1.52
  text "Trig select" at 9.246,38.697 h1.12 r90
  text "Clk select" at 27.926,38.481 h1.32 r90
  text "(Trig rsv)" at 18.519,38.227 h0.8 r90
  text "(Trig norm)" at 6.223,37.615 h0.8
  text "Pin14 / io4 Cw/ Pin27" at 9.902,37.476 h1
  text "SMA / Osc / Cw" at 19.052,37.217 h1.22
  text "UART CW/M" at 29.778,37.22 h1.52
  text "Vcore select" at 44.185,33.528 h1 r90
  text "direct / filt" at 48.371,33.528 h1.8 r90
  text "Alive?" at 3.301,24.527 h1.52
  text "MOSI CW/M" at 5.171,17.923 h1.52
  text "SCK M/CW" at 14.468,17.923 h1.52
  text "PC:" at 44.577,17.923 h1.52
  text "X1 Dbug" at 28.412,17.687 h1.52
  text "2    3    4" at 35.256,17.676 h1.92
  text "B RST" at 43.942,14.857 h1
  text "Mem[23]" at 39.397,13.64 h1
  text "Spare In" at 39.397,11.239 h1
  text "SPI RST" at 47.934,9.801 h0.8 r90
  text "UART" at 39.397,8.925 h1
  text "Rvalid" at 38.376,8.128 h1.2
  text "C RST" at 47.926,7.481 h0.8 r90
  text "Mem req" at 39.499,6.658 h1
  text "Co req" at 39.499,4.731 h1
  text "G RST" at 43.829,4.202 h1
  text "Vadj SET 0.8V" at 25.366,3.937 h1.52 r90
  text "co-req/mem-req/uart-va/spare-in/Mem[23]" at 34.502,3.556 h0.95 r90
Bottom Overlay:
  drawing of 120 lines, arcs and shapes, not listed
  text "Abolfazl Sajadi (Abish)" at 0.728,91.883 h1.52 r90
Mechanical 1:
  lines w0.3: 52.582,92.075 ccw(c52.582,92.075) 52.582,92.075 ; 52.582,92.075 ccw(c51.312,92.075) 51.312,93.345 0,93.345 ccw(c0,92.075) -1.27,92.075 -1.27,1.27 ccw(c0,1.27) 0,0 51.312,0 ccw(c51.312,1.27) 52.582,1.27 52.582,92.075
  text "Note: JLCPCB stackup : JLC04161H-7628 Stackup" at -9.379,101.904 h2

## Dimensions
51.312,93.345 to 51.312,0 on Mechanical 1
-1.27,92.075 to 52.582,92.075 on Mechanical 1

## Text inside footprints (layer, text, board x,y; h text height)
S1: Top Overlay "7" at 29.064,52.481 h0.7; Top Overlay "6" at 26.504,52.481 h0.7; Top Overlay "5" at 23.943,52.481 h0.7; Top Overlay "4" at 21.383,52.481 h0.7; Top Overlay "3" at 18.822,52.481 h0.7; Top Overlay "2" at 16.262,52.481 h0.7; Top Overlay "1" at 13.998,52.481 h0.7; Top Overlay "ON" at 14.889,57.591 h0.8 r180